# Allegro board F429_PACK_V10A.brd (continued)
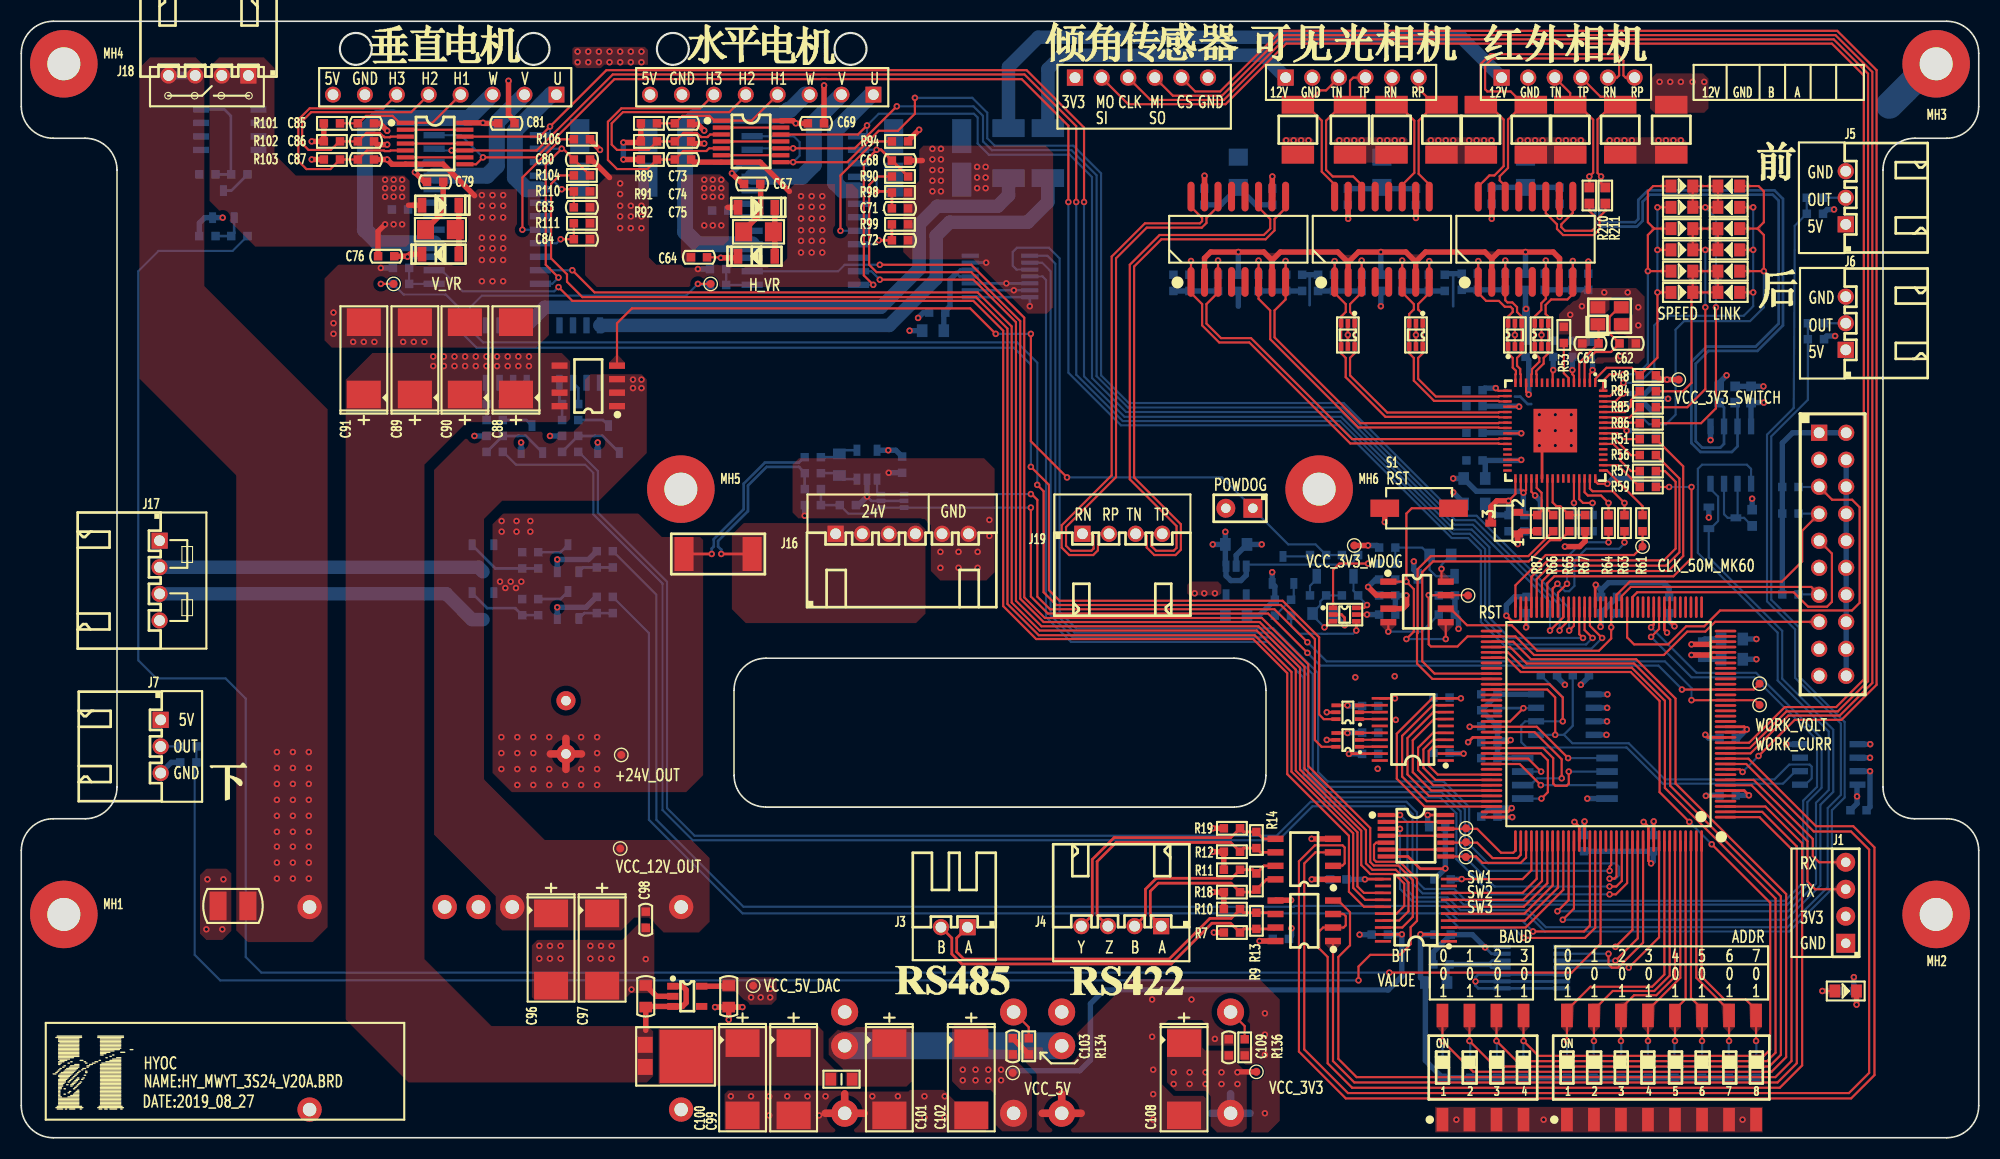
[diagram p0: board, top side]
## Copper pours and planes (outline as drawn; the poured copper is in the pictures) (continued)
VCC_5V on TOP: 87.5,10.4 87.5,5.3 88.3,4.5 91.1,4.5 91.6,4 91.6,1.2 92.2,0.6 94.6,0.6 95,1 95,5.8 93.7,7.1 93.7,8.3 91.1,8.3 90.8,8.6 90.8,10.5 90.6,10.7 87.8,10.7
VCC_5V on BOTTOM: 88.2,6.7 94.2,6.7 94.5,6.4 94.5,6 93.4,4.9 88.3,4.9 87.8,5.4 87.8,6.3
VCC_5V on L03-VCC: 130.1,18.5 126.7,18.5 124.4,20.8 124.4,36.4 124.6,36.6 125.4,36.6 125.8,36.2 125.8,21.5 127.7,19.6 129.9,19.6 130.1,19.4
VCC_5V on L03-VCC: 94.9,0.8 17,0.8 10.6,7.2 10.6,99.3 14.4,103.1 115.5,103.1 117.5,101.1 117.5,92.7 120.3,89.9 169.9,89.9 174,85.8 174,73.1 172.8,71.9 169.8,71.9 168.7,73 168.7,80.5 162.2,87 114,87 112.7,88.3 112.7,99.9 111.8,100.8 98.4,100.8 97.7,100.1 97.7,98.1 93.3,93.7 84.8,93.7 82.4,96.1 42.1,96.1 41.8,95.8 41.8,94.3 42.1,94 45.3,94 46,93.3 54.9,93.3 55.6,94 56.4,94 56.9,93.5 56.9,91.9 56.6,91.6 18.7,91.6 16,88.9 16,9.8 18.7,7.1 94,7.1 95.4,5.7 95.4,1.3
VCC_5V_DAC on TOP: 65.9,15.1 70.7,15.1 71,14.8 71,13 70.5,12.5 68.4,12.5 67.2,13.7 65.9,13.7
VCC_5V_DAC on L03-VCC: 68.2,13 68.2,14.4 71.4,17.6 120,17.6 121.7,19.3 121.7,23.5 122.1,23.9 122.1,24.6 121.7,25 121.7,40.8 122.7,41.8 125.3,41.8 125.7,41.4 125.7,37.5 125.3,37.1 124.3,37.1 123.9,36.7 123.9,17.6 121.8,15.5 74.2,15.5 71.3,12.6 68.6,12.6
VCC_12V_IN on TOP: 63.7,19.3 60.4,19.3 59,20.7 57.6,20.7 56.4,19.5 45.2,19.5 44.6,20.1 44.6,22.7 38.8,28.5 38.8,62.8 42.4,66.4 51.9,66.4 53,67.5 53,71.3 53.5,71.8 58.3,71.8 58.8,71.3 58.8,64.4 54.3,59.9 45.2,59.9 43.5,58.2 43.5,33.7 49.2,28 63,28 64.7,26.3 64.7,20.3
VCC_12V_IN on L03-VCC: 71,72.5 76.5,67 96.2,67 102.5,60.7 110.6,60.7 113.7,57.6 113.7,55.4 113.3,55 110.9,55 107.7,58.2 101.6,58.2 94.5,65.3 74.9,65.3 70.6,69.6 57.4,69.6 57.1,69.9 57.1,72.2 57.4,72.5
VCC_12V_OUT on TOP: 51.3,67.3 41.9,67.3 37.9,63.3 37.9,16.8 44.2,10.5 58.9,10.5 59.4,10 59.4,5.8 58.8,5.2 36.4,5.2 30.5,11.1 30.5,71.3 33,73.8 50.8,73.8 51.6,73 51.6,67.6
VCC_12V_OUT on BOTTOM: 44.5,70.3 44.5,71.5 44.2,71.8 38.5,71.8 38.1,72.2 38.1,73.7 38.3,73.9 54.9,73.9 55.1,73.7 55.1,70.5 54.8,70.2 44.6,70.2
VCC_24V on TOP: 68.1,48.4 84.1,48.4 85,49.3 85,57.2 84.4,57.8 67.9,57.8 66.8,56.7 66.8,49.7
VCC_24V_MOTOR on TOP: 63.4,82.3 63.4,83.6 63.7,83.9 66,83.9 66.5,84.4 66.5,89.8 65.7,90.6 62.4,90.6 62,90.2 62,82.8 62.5,82.3
VCC_24V_MOTOR on TOP: 18.6,101.6 22.8,101.6 23.8,100.6 23.8,92.5 25.8,90.5 36,90.5 36.5,90 36.5,84.1 36.2,83.8 22,83.8 17.7,88.1 17.7,100.7
VCC_24V_MOTOR on BOTTOM: 64.3,90.8 65.8,90.8 67.1,89.5 69.7,89.5 69.7,88.4 67.4,88.4 67.1,88.1 65.8,88.1 65.4,87.7 65.4,86.6 65.7,86.3 67,86.3 67.3,86 69.7,86 69.7,85 64.4,85 63.8,85.6 63.8,90.3
VCC_24V_MOTOR on BOTTOM: 34.3,90.7 36.2,90.7 37.3,89.6 39.9,89.6 39.9,88.8 39.7,88.6 37.4,88.6 37.1,88.3 35.8,88.3 35.3,87.8 35.3,86.8 35.7,86.4 37.5,86.4 37.7,86.2 39.8,86.2 39.9,86.1 39.9,85.1 37.7,85.1 37.5,85.3 34.3,85.3 33.7,85.9 33.7,90.1
VCC_24V_MOTOR on BOTTOM: 21.4,97 21.4,92 21.9,91.5 25.1,91.5 25.6,92 25.6,100.7 24.8,101.5 18.8,101.5 18,100.7 18,98.1 18.6,97.5 20.9,97.5
VCC_24V_MOTOR on L03-VCC: 65.6,78.8 27.1,78.8 26.1,79.8 26.1,89.8 27.4,91.1 65.8,91.1 67.7,89.2 67.7,80.9
E6071_AVDD_1.8V on L03-VCC: 139.9,63.3 139.9,71.9 140.9,72.9 146.4,72.9 146.7,72.6 146.7,71.7 146.3,71.3 142.5,71.3 142,70.8 142,63.4 141.4,62.8 140.4,62.8
E6071_CT_1.8V on L03-VCC: 114,83.9 142.2,83.9 142.7,83.4 142.7,76.1 141.8,75.2 139.5,75.2 137.5,73.2 137.5,61.9 137.1,61.5 134,61.5 133.5,62 133.5,72.9 140.3,79.7 140.3,82.5 140,82.8 114.1,82.8 113.8,83.1 113.8,83.7
E6071_VDD_CORE_1.2V on L03-VCC: 138.3,69.8 139.1,69.8 139.4,70.1 139.4,72.2 140.5,73.3 146.8,73.3 147.2,72.9 147.2,63.9 146.2,62.9 143.6,62.9 141.8,61.1 141.8,59.8 142,59.6 142.7,59.6 144.7,61.6 146.8,61.6 148.5,63.3 148.5,65.1 149.2,65.8 151.3,65.8 151.7,66.2 151.7,67.1 151.4,67.4 149.3,67.4 148.5,68.2 148.5,73.7 147.5,74.7 139.8,74.7 138,72.9 138,70.1
N11711860 on TOP: 77.5,4.8 83.2,4.8 83.8,5.4 83.8,10 83.4,10.4 77,10.4 75.9,9.3 75.9,7.8 77.5,6.2
N11711868 on TOP: 74.9,10.5 75.4,10 75.4,7.5 76.7,6.2 76.7,4.9 60.1,4.9 59.9,5.1 59.9,10.2 60.2,10.5
N17116110 on BOTTOM: 77.7,83.5 80.7,83.5 81.4,84.2 81.4,90.5 81,90.9 77.7,90.9 77.7,92.4 80.2,92.4 81.4,93.6 81.4,95.7 81.5,95.8 84.2,95.8 84.8,95.2 84.8,89.6 83.3,88.1 83.3,82.8 82.9,82.4 77.7,82.4
N17123303 on BOTTOM: 47.8,83.6 50.8,83.6 51.5,84.3 51.5,90.6 51.1,91 47.8,91 47.8,92.5 50.3,92.5 50.35,92.55 50.4,92.5 51.1,92.5 51.5,92.9 51.5,95.8 53.3,95.8 54.7,94.4 54.7,82.6 54.2,82.1 47.8,82.1
N17193783 on BOTTOM: 50.2,77.2 50.2,75.6 54.8,75.6 54.8,77.2
N17193809 on BOTTOM: 43.3,77.2 43.3,75.6 47.9,75.6 47.9,77.2

Small or netless copper shapes (teardrops, artwork), in the pictures only: 360 on TOP, 150 on BOTTOM

## Text on the board
User.Comments: CR_JY02A_1 | CR_L6235D_4
Ref Des/Silkscreen Top: 12V | GND | TN | TP | RN | RP | B | A | DATE:2019_08_27 | HYOC | NAME:HY_MWYT_3S24_V20A.BRD | OUT | 5V | H3 | H2 | V_VR | H1 | W | V | U | +24V_OUT | VCC_12V_OUT | H_VR | VCC_5V_DAC | 24V | VCC_5V | 3V3 | Y | MO | SI | Z | CLK | SO | MI | CS | POWDOG | VCC_3V3 | VCC_3V3_WDOG | VALUE | RST | BIT | 0 | 1 | SW1 | SW2 | SW3 | 2 | BAUD | 3 | SPEED | CLK_50M_MK60 | 4 | VCC_3V3_SWITCH | 5 | LINK | 6 | ADDR | 7 | WORK_VOLT | WORK_CURR | RX | TX
DEVICE_TYPE_BOTTOM: SCALE: NONE | If the angle of PCB board outline is circular,please use this kind of break out area | If not use it,please delete it before you gerber out | If the angle of PCB board outline is right angle,please use this kind of break out area | AS usual,please use the 0.8MM stamp Via | A_TARGET:0.2 mm | B_TARGET:1.065 mm | C_TARGET:0.2 mm | ___ PUBI (PUBLIC INFORMATION) | ___ FIUO (HY INTERNAL USE ONLY) | ___ FCP (HY CONFIDENTIAL PROPRIETARY) | THIS DOCUMENT CONTAINS INFORMATION | PROPRIETARY TO FREESCALE AND SHALL | NOT BE USED FOR ENGINEERING DESIGN | PROCUREMENT OR MANUFACTURE IN WHOLE | OR IN PART WITHOUT THE CONSENT OF | NXP. | 1. THIS DRAWING SPECIFIES THE REQUIREMENTS FOR A | 2. THE PWB MUST BE LEAD FREE ASSEMBLY PROCESS COMPATIBLE AND MUST BE ABLE TO HANDLE | 3. BASE MATERIAL - LAMINATE AND PREPREG SHALL MEET IPC-4101B-26, 83 or 98 | Tg - MUST BE GREATER THAN OR EQUAL TO 150 DEGREES CELSIUS. | Td - MUST BE GREATER THAN OR EQUAL TO 330 DEGREES CELSIUS. | 4. COPPER FOIL WEIGHT - SEE STACKUP DETAIL 'A' | 5. CHARACTERISTIC IMPEDANCE - SEE DETAIL 'B' | 6. MINIMUM CONDUCTIVE WIDTH/SPACING TO BE .00X"/.00X" | 7. PLATING FINISH - BOTH SIDES ENIG (ELECTROLESS NICKEL IMMERSION GOLD): | 8. ALL THROUGH HOLE VIAS MAY BE PLATED SHUT. | - MUST BE UL RECOGNIZED AND MUST HAVE AN ID THAT CONFORMS TO UL94V-0 | 9. SOLDERMASK - GREEN COLOR (TAIYO OR EQUIVALENT), BOTH SIDES. | 10. SILKSCREEN - WHITE EPOXY INK, BOTH SIDES.  NO SILK ON PADS. | 11. ELECTRICAL TEST - 100% IPCD356. | 12. PRINTED WIRING BOARD IS TO BE INDIVIDUALLY BAGGED. | 13. DRC'S MUST BE RUN ON THE GERBER BEFORE BUILDING BOARDS, | UNLESS PRIOR APPROVAL IS GIVEN IN WRITING BY FREESCALE. | 14. ADD TEARDROPS TO ALL SIGNAL LAYERS. | 15. SOLDER SAMPLES TO BE PROVIDED. | 16. BASIC GRID INCREMENT AT 1:1 IS .0001. | 17. SUPPLIER MARKINGS - ON SOLDER SIDE ONLY, WHERE SHOWN. | MODIFICATION OF SOLDERMASK IS NOT ALLOWED WITHOUT WRITTEN PERMISSION FROM FREESCALE. | WITH SPECIFICATION IPC-A-600 CLASS 2 (LATEST REVISION). | A MINIMUM OF 5 CYCLES AT 260 DEGREES CELSIUS FOR 10 SECONDS. | 18. THE PWB WILL BE MARKED AS LEAD FREE BY USE OF AN INK STAMP Pb | 19. THE PWB WILL BE MARKED AS LEAD FREE PROCESS COMPATIBLE BY USE OF AN INK STAMP 260 C | 21. FINISHED PCB MUST BE PANELIZED FOR ASSEMBLY ACCORDING TO CONTRACT MANUFACTURING REQUIREMENT. | ADDITION OF .25" RAILS AND .125" NON-PLATED TOOLING HOLES ARE AT THE DISCRETION | OF CONTRACT MANUFACTURER AND FAB HOUSE. | PANELIZATION MUST BE APPROVED BY FREESCALE. | 2.540-6.350 MICRON (100-250 MICROINCH) OF NICKEL. | .05080-.232 MICRON (2-8 MICROINCH) OF GOLD OVER | PRINTED WIRING BOARD IN ACCORDANCE | NO.2, XinYe Road, West High-Tech Zone, ChengDu, Sichuan | 20. ALL PLATED AND NON-PLATED THROUGH HOLES ARE TO BE DRILLED AT PRIMARY DRILL STEP. | ALL HOLE LOCATION TOLERANCES ARE TO BE +/-.002 IN REFERENCE TO THE PRIMARY DATUM. | X | XXXLZJXXX | V10A | V20A | 19-08-27 | 18-11-05 | JLC7628:  1.6mm THK +/- 10% | LAYER 1  TOP SIDE          1oz+plating | LAYER 2  GND PLANE         1/2oz. | LAYER 3  VCC PLANE         1/2oz. | LAYER 4  BOTTOM SIDE       1oz+plating | FINISHED Cu WEIGHT | NO-***** | 1/1 | CAD-***** | 1 | DETAIL A | LAYER STACKUP | DETAIL B | IMPEDANCE REQUIREMENTS | IMPEDANCE TOLERANCE IS 10% | HY_MWYT_3S24_V20A | FAB-***** | A2 | HYOC
TOLERANCE_TOP: FIGURE | FINISHED_SIZE | 0.3048 | 0.889 | 0.9 | 1.0 | 1.016 | 1.27 | 3.1 | DRILL CHART: TOP to BOTTOM | ALL UNITS ARE IN MILLIMETERS | PLATED | QTY | 638 | 6 | 2 | 16 | 71 | 10 | 7 | 756 | TOTAL HOLES:
